# Altium PCB LOGI-BONE.PcbDoc (part 1 of 4)
Units mil, origin at the board's own origin, x right, y up, seen from the top; angles counter-clockwise.
Board outline 3400 x 2252.63 mil, 4 copper layers (Top Layer, GND, VDD, Bottom Layer); 132 components, 150 nets, 640 pads, 358 vias.
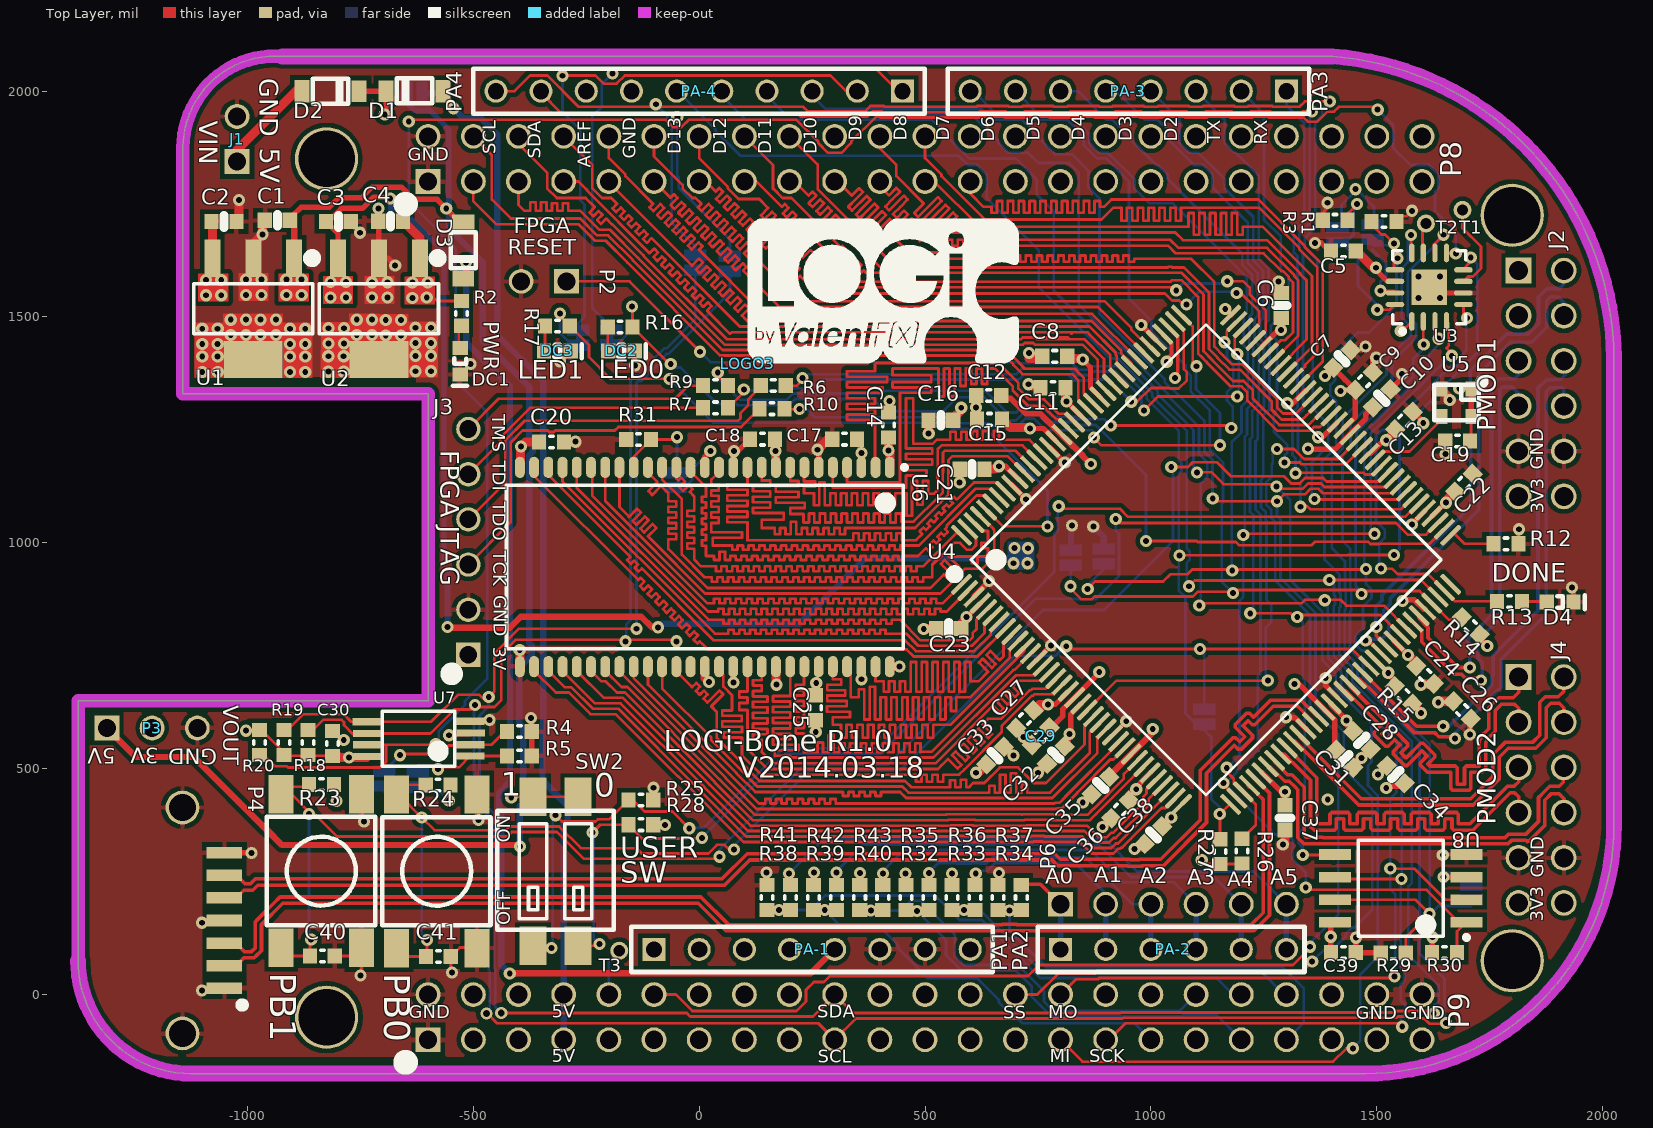
[diagram p0: Top Layer view]
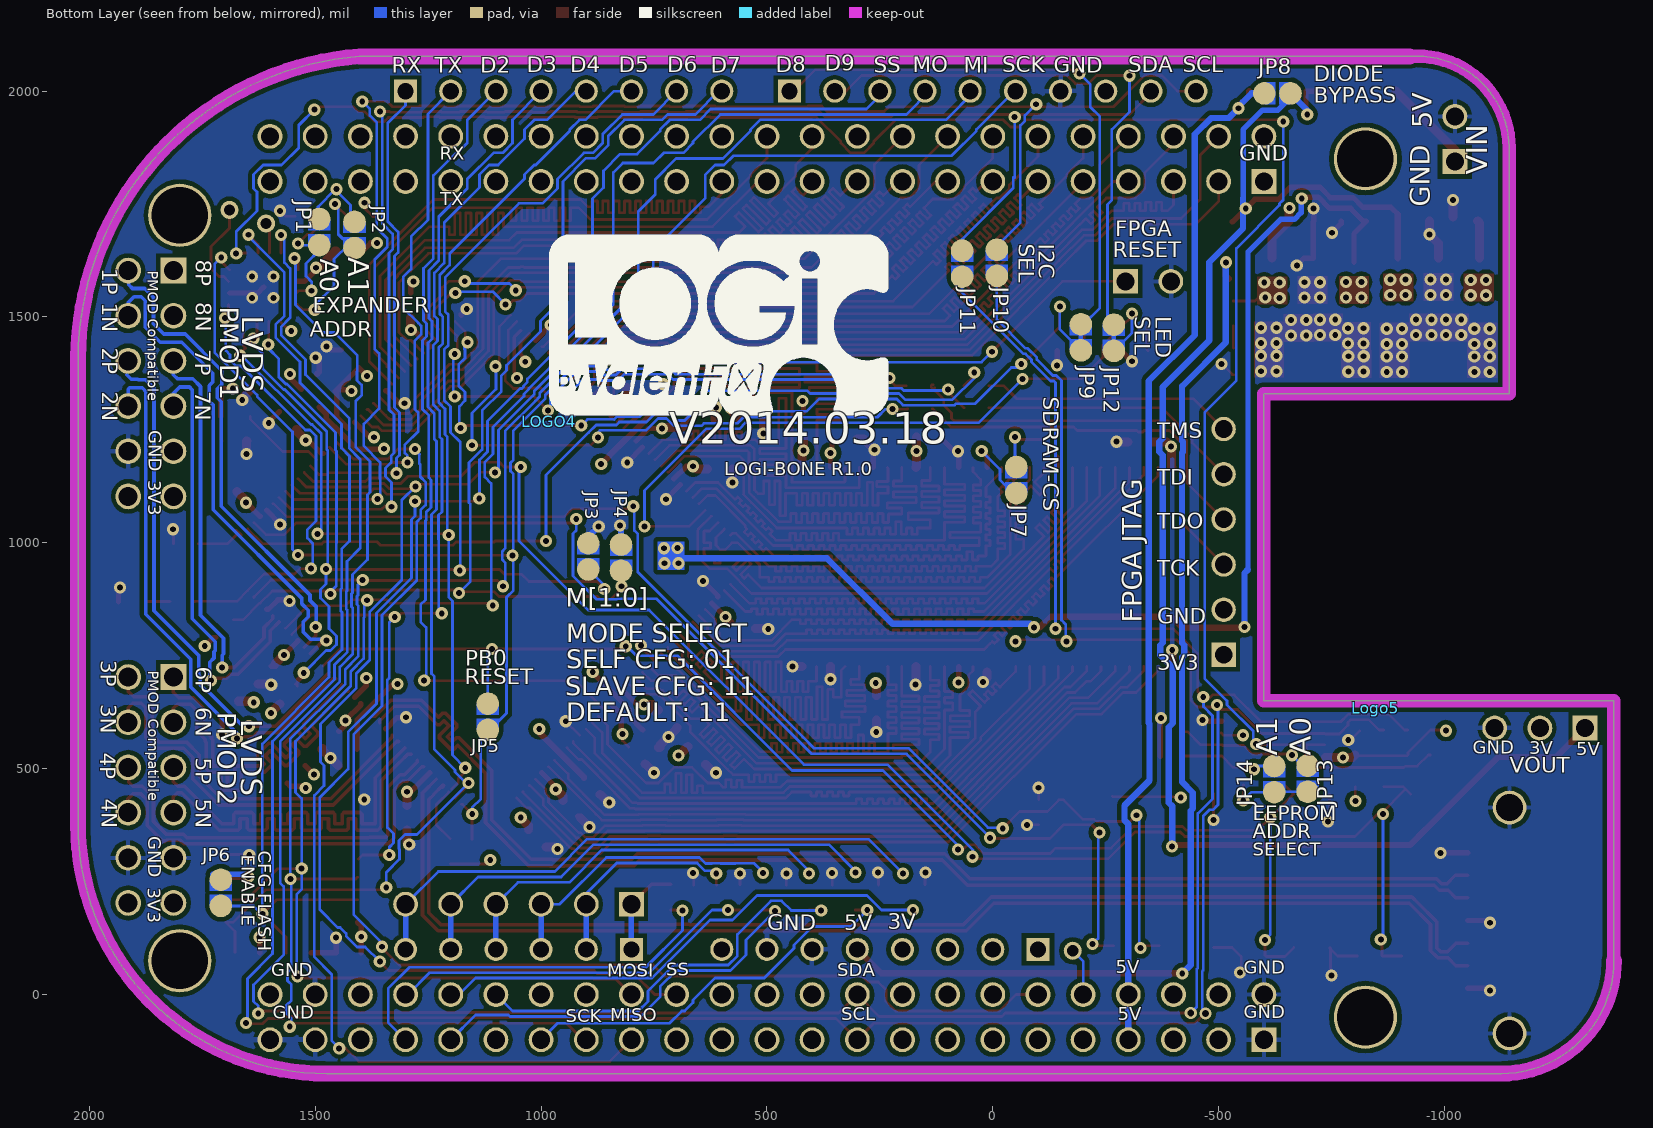
[diagram p1: Bottom Layer view, seen from below]
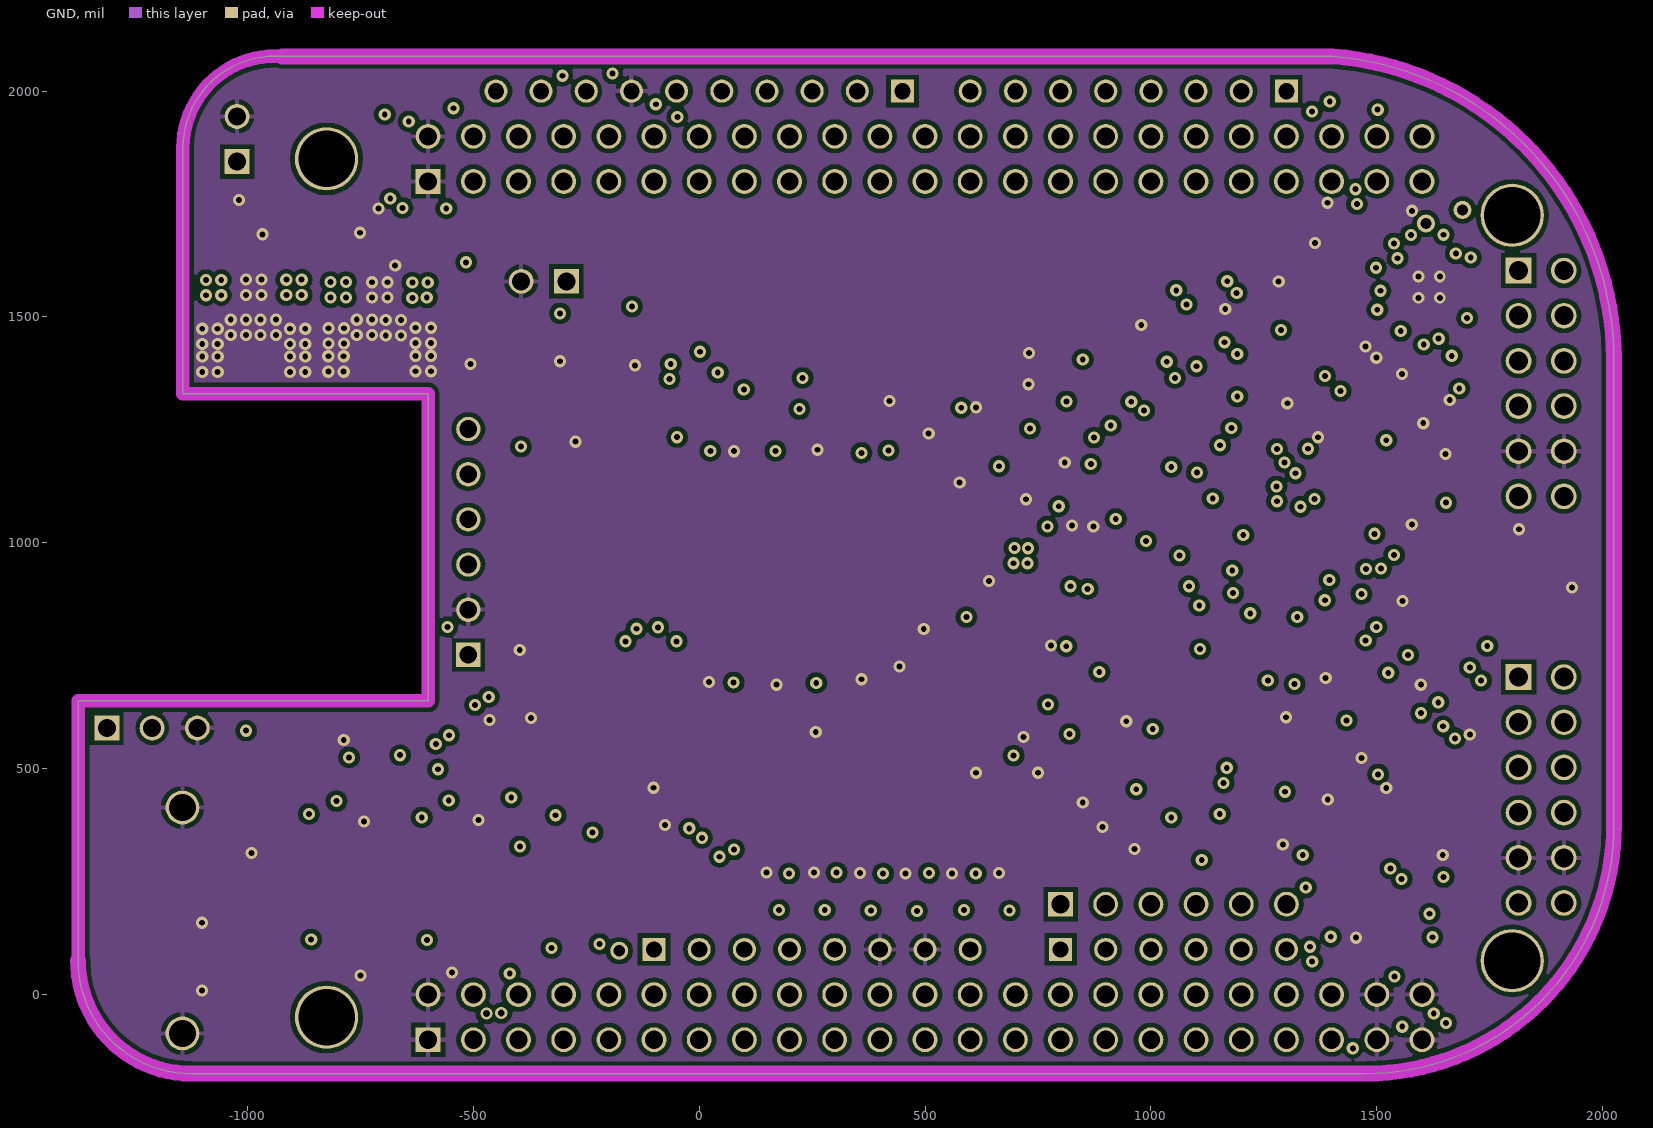
[diagram p2: GND]
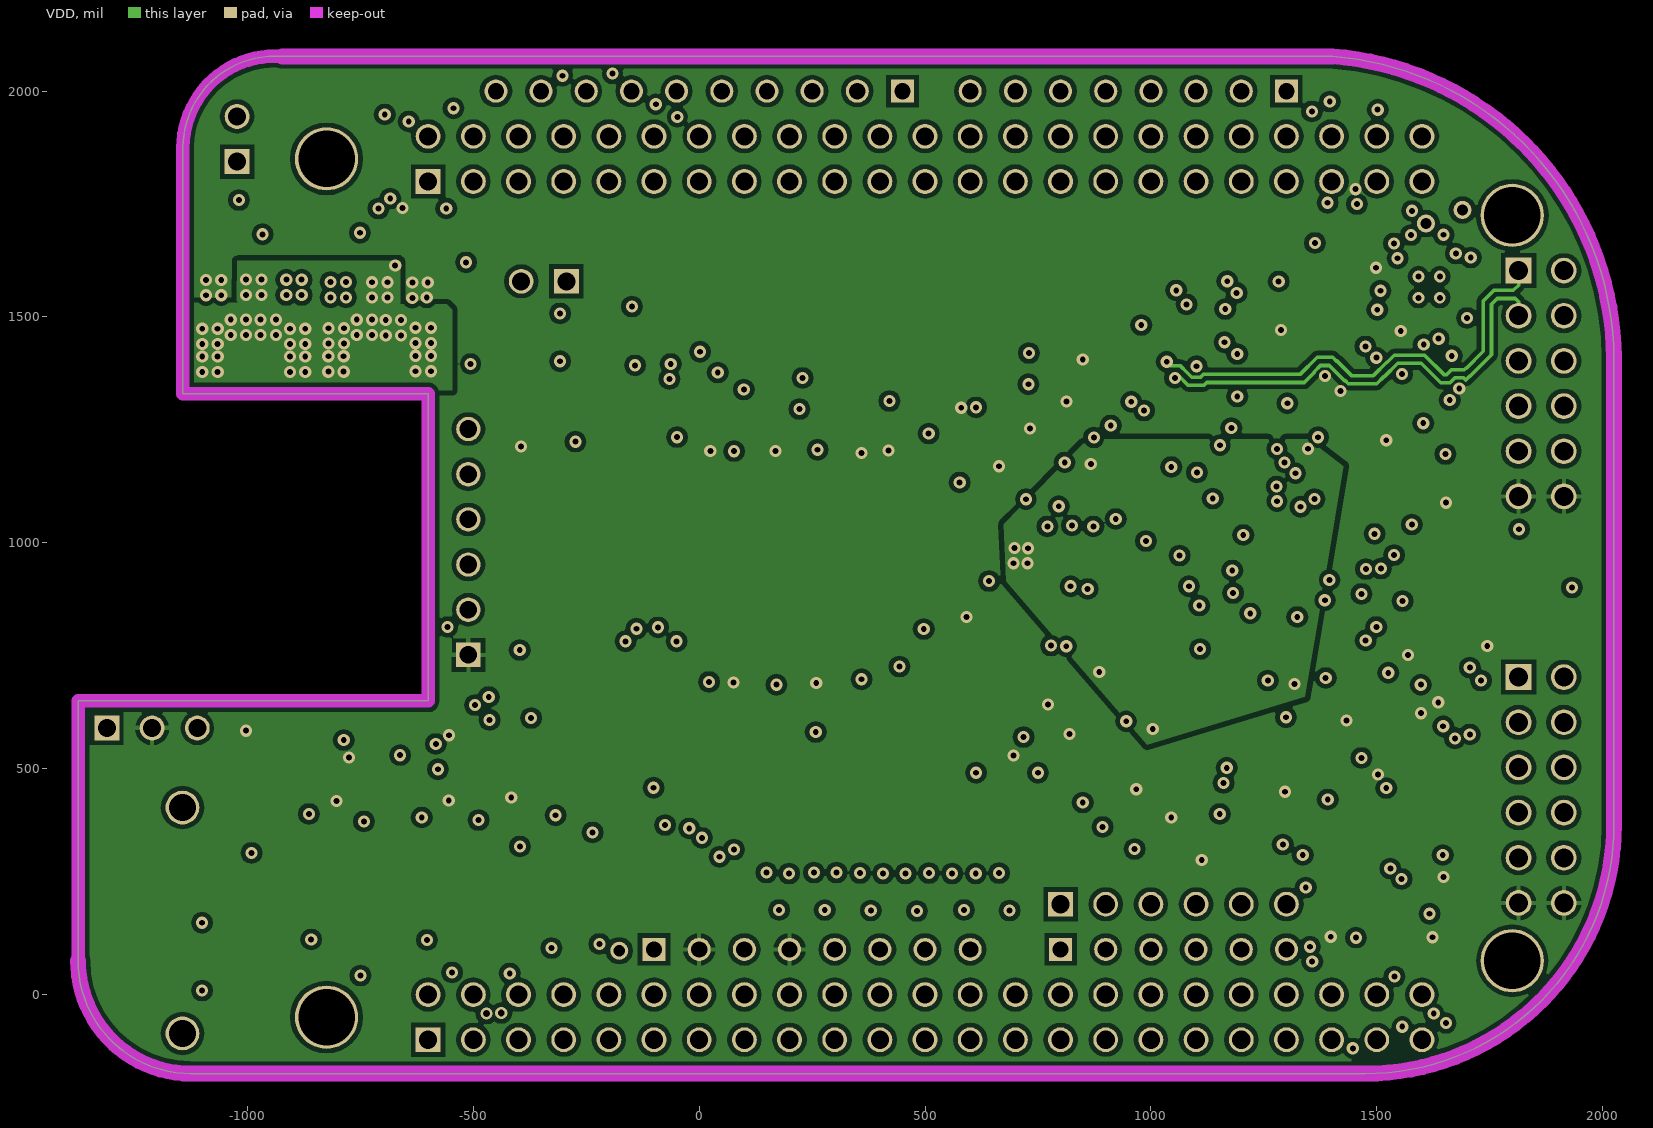
[diagram p3: VDD]
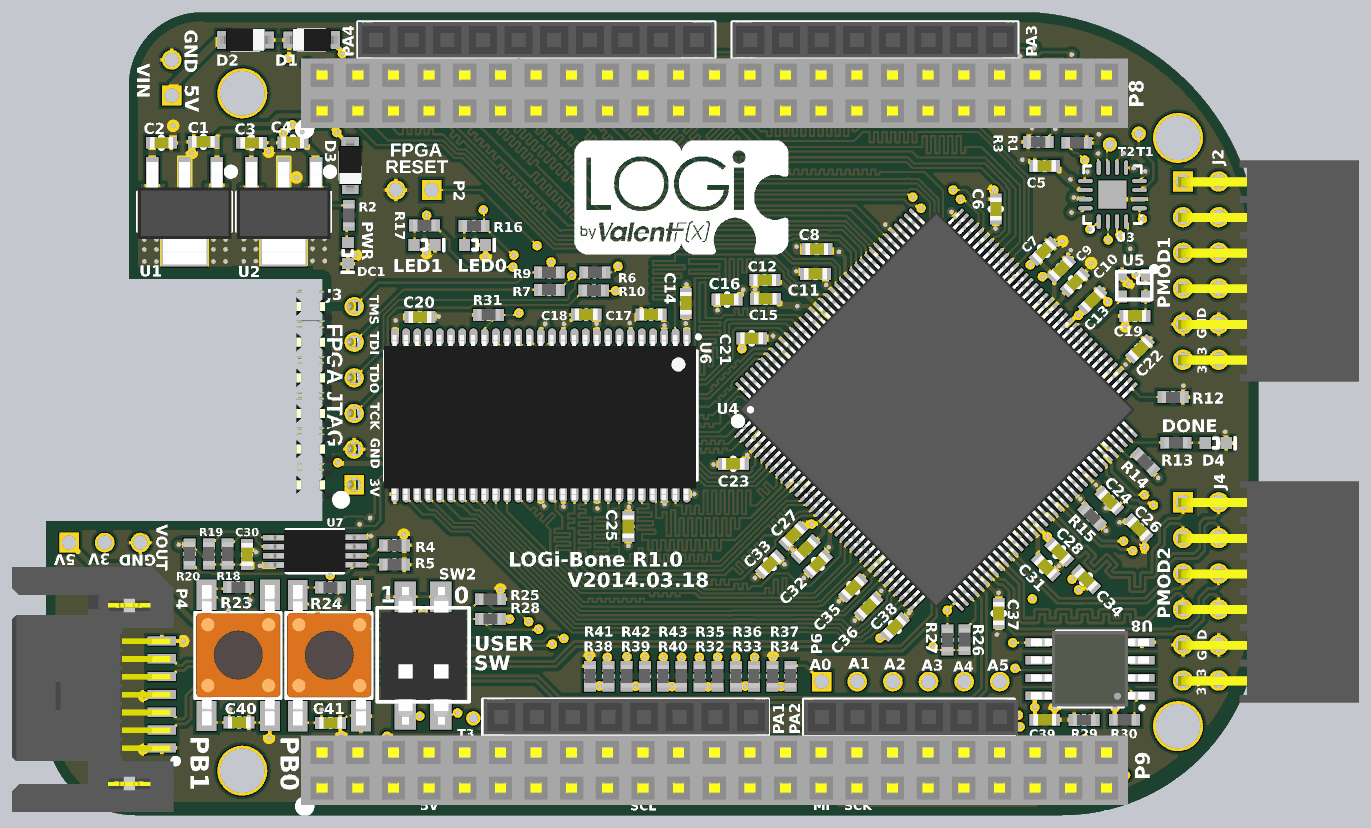
[diagram p7: 3D render of the assembled board from above, using the file's embedded part models]

## Layer stack, top to bottom
Top Solder: solder mask 0.4, Solder Resist, Dk 3.5
Top Layer: signal copper 1.4
Dielectric1: core 12.6, FR-4, Dk 4.8
GND: signal copper 1.4
Dielectric2: prepreg 12.6, FR-4, Dk 4.8
VDD: signal copper 1.4
Dielectric3: core 12.6, FR-4, Dk 4.8
Bottom Layer: signal copper 1.4
Bottom Solder: solder mask 0.4, Solder Resist, Dk 3.5

## Board outline
-1375,75 -1375,650 -600,650 -600,1330 -1143,1330 -1143,1875.3 cw(c-938.98,1873.6) -923,2077 1402,2077 cw(c1350.8,1404.73) 2025,1410 2025,375 cw(c1475,375) 1475,-175 -1125,-175 cw(c-1125,75)

## Design rules (kind name [scope] priority, off if disabled: settings)
Clearance POLY_TO_POLY [inpoly vs inpoly] p1: gap=12
Clearance Poly_TO_ALL [InPoly] p2: gap=10
Clearance [All] p3: gap=6
ComponentClearance ComponentClearance_1 [OnLayer('Mechanical 1')] p1: gap=0 collisioncheckmode=3 verticalgap=0 showdistances=FALSE
ComponentClearance [All] p2: gap=10 collisioncheckmode=3 verticalgap=10 showdistances=FALSE
DiffPairsRouting [All] p1: maxlimit=10 minlimit=6 mostfreqgap=10 toplayer_prefgap=6 toplayer_minwidth=15 toplayer_maxwidth=15 toplayer_prefwidth=15 midlayer1_mingap=10 midlayer1_minwidth=15 midlayer1_maxwidth=15 midlayer1_prefwidth=15 midlayer2_mingap=10 midlayer2_minwidth=15 midlayer2_maxwidth=15 midlayer2_prefwidth=15 bottomlayer_mingap=10 bottomlayer_minwidth=15 bottomlayer_maxwidth=15 bottomlayer_prefwidth=15 maxuncoupledlength=500
Height [All] p1: minheight=0 maxheight=1500 prefheight=500
HoleSize [All] p1: absolutevalues=TRUE maxlimit=250 minlimit=1 maxpercent=80.000 minpercent=20.000
HoleToHoleClearance [All] p1: gap=2 allowstackedmicrovias=TRUE
MinimumSolderMaskSliver [All] p1: minsoldermaskwidth=0
PlaneClearance [All] p1: clearance=10
PlaneConnect [All] p1: planeconnectstyle=Direct reliefexpansion=20 reliefentries=4 reliefconductorwidth=10 reliefairgap=10
PolygonConnect Regualtors [(ObjectKind = 'Pad') And ((Component = 'U1')  or (Component = 'U2'))] p1: connectstyle=Direct reliefconductorwidth=10 reliefentries=4 polygonreliefangle="90 Angle" airgapwidth=10
PolygonConnect via-direct-connect [isvia] p2: connectstyle=Direct reliefconductorwidth=12 reliefentries=4 polygonreliefangle="90 Angle" airgapwidth=10
PolygonConnect PolygonConnect_1 [All] p3: connectstyle=Relief reliefconductorwidth=10 reliefentries=4 polygonreliefangle="90 Angle" airgapwidth=10
RoutingVias [All] p1: holewidth=13 width=27 viastyle="Through Hole" minholewidth=13 minwidth=27 maxholewidth=25 maxwidth=40
SilkToSilkClearance [All] p1: silktosilkclearance=0
SilkToSolderMaskClearance SilkscreenOverComponentPads [IsPad] p1: minsilkscreentomaskgap=0 clearancetoexposedcopper=TRUE
SolderMaskExpansion vias [isvia and not(locked)] p1: expansion=-100
SolderMaskExpansion [All] p2: expansion=4
Width [All] p1: maxlimit=100 minlimit=6 preferedwidth=12
19 further rules are at their usual default settings.

## Classes and differential pairs
net class sata: SATA_D1_N SATA_D1_P SATA_D2_N SATA_D2_P
net class lvds: PMOD1_1_2_LVDS8_N PMOD1_1_2_LVDS8_P PMOD1_3_4_LVDS7_N PMOD1_3_4_LVDS7_P PMOD1_7_8_LVDS1_A_N PMOD1_7_8_LVDS1_A_P PMOD1_9_10_LVDS2_B_N PMOD1_9_10_LVDS2_B_P PMOD2_1_2_LVDS6_N PMOD2_1_2_LVDS6_P PMOD2_3_4_LVDS5_N PMOD2_3_4_LVDS5_P PMOD2_7_8_LVDS3_A_N PMOD2_7_8_LVDS3_A_P PMOD2_9_10_LVDS4_B_N PMOD2_9_10_LVDS4_B_P
net class RAM: RAM_S-D13_SD-NC SD-A0 SD-A1 SD-A2 SD-A3 SD-A4 SD-A5 SD-A6 SD-A7 SD-A8 SD-A9 SD-A10 SD-A11 SD-A12 SD-BA0 SD-BA1 SD-CAS SD-CKE SD-CLK SD-DQ0 SD-DQ1 SD-DQ2 SD-DQ3 SD-DQ4 SD-DQ5 SD-DQ6 SD-DQ7 SD-DQ8 SD-DQ9 SD-DQ10 SD-DQ11 SD-DQ12 SD-DQ13 SD-DQ14 SD-DQ15 SD-DQMH SD-DQML SD-RAS SD-WE
net class GPMC: GPMC_AD0 GPMC_AD1 GPMC_AD2 GPMC_AD3 GPMC_AD4 GPMC_AD5 GPMC_AD6 GPMC_AD7 GPMC_AD8 GPMC_AD9 GPMC_AD10 GPMC_AD11 GPMC_AD12 GPMC_AD13 GPMC_AD14 GPMC_AD15 GPMC_ADVN GPMC_BE0N GPMC_BE1N GPMC_CLK GPMC_CSN1 GPMC_OEN GPMC_WE1N
net class JTAG: TCK TDI TDO TMS
component class RAM: C14 C17 C18 C20 C25 JP7 R31 U6
differential pair SATA_D2: +SATA_D2_P -SATA_D2_N
differential pair SATA_D1: +SATA_D1_P -SATA_D1_N
differential pair PMOD1_9_10_LVDS2_B: +PMOD1_9_10_LVDS2_B_P -PMOD1_9_10_LVDS2_B_N
differential pair PMOD1_7_8_LVDS1_A: +PMOD1_7_8_LVDS1_A_P -PMOD1_7_8_LVDS1_A_N
differential pair PMOD1_1_2_LVDS8: +PMOD1_1_2_LVDS8_P -PMOD1_1_2_LVDS8_N
differential pair PMOD1_3_4_LVDS7: +PMOD1_3_4_LVDS7_P -PMOD1_3_4_LVDS7_N
differential pair PMOD2_1_2_LVDS6: +PMOD2_1_2_LVDS6_P -PMOD2_1_2_LVDS6_N
differential pair PMOD2_3_4_LVDS5: +PMOD2_3_4_LVDS5_P -PMOD2_3_4_LVDS5_N
differential pair PMOD2_7_8_LVDS3_A: +PMOD2_7_8_LVDS3_A_P -PMOD2_7_8_LVDS3_A_N
differential pair PMOD2_9_10_LVDS4_B: +PMOD2_9_10_LVDS4_B_P -PMOD2_9_10_LVDS4_B_N

## Components (designator, comment, footprint, x,y, rotation, side; value= is the part's Value field where it differs from the comment)
C1 "4.7uF" "C0603 - MARKED" -934,1714.07 r180 top
C2 "4.7uF" "C0603 - MARKED" -1052,1711.56 r0 top
C3 "4.7uF" "C0603 - MARKED" -798.78,1711.56 r0 top
C4 "4.7uF" "C0603 - MARKED" -683,1712.07 r180 top
C5 ".1uF" C0603 1426,1646 r180 top
C6 "4.7uF" "C0603 - MARKED" 1288.63,1525.55 r90 top
C7 "4.7uF" "C0603 - MARKED" 1423,1407.49 r45 top
C8 ".47uF" C0603 787,1413 r180 top
C9 ".47uF" C0603 1472,1358 r45 top
C10 "4.7uF" "C0603 - MARKED" 1510.9,1320.16 r45 top
C11 ".47uF" C0603 783.18,1343.37 r180 top
C12 ".47uF" C0603 641,1326 r180 top
C13 ".47uF" C0603 1560.39,1270.66 r45 top
C14 ".1uF" C0603 419,1261 r90 top
C15 ".47uF" C0603 642.75,1273.55 r180 top
C16 "4.7uF" "C0603 - MARKED" 535,1271.55 r180 top
C17 ".1uF" C0603 321.94,1229.44 r180 top
C18 ".1uF" C0603 140,1229.44 r180 top
C19 ".1uF" C0603 1679,1225.62 r180 top
C20 ".1uF" C0603 -327,1223 r0 top
C21 "4.7uF" "C0603 - MARKED" 604.2,1163 r180 top
C22 ".47uF" C0603 1693,1133 r45 top
C23 "4.7uF" "C0603 - MARKED" 552.48,810.82 r180 top
C24 ".47uF" C0603 1607.12,707.54 r315 top
C25 ".1uF" C0603 257.81,635 r270 top
C26 ".47uF" C0603 1689,629.87 r315 top
C27 ".47uF" C0603 721,610 r225 top
C28 "4.7uF" "C0603 - MARKED" 1467,563 r315 top
C29 ".47uF" C0603 756,572 r225 top
C30 ".1uF" C0603 -812,556 r90 top
C31 "4.7uF" "C0603 - MARKED" 1428.81,522 r315 top
C32 "4.7uF" "C0603 - MARKED" 789.45,530.22 r225 top
C33 "4.7uF" "C0603 - MARKED" 655,529 r225 top
C34 "4.7uF" "C0603 - MARKED" 1542,487.32 r315 top
C35 "4.7uF" "C0603 - MARKED" 888.63,462.84 r225 top
C36 ".47uF" C0603 932,410 r225 top
C37 "4.7uF" "C0603 - MARKED" 1297,391.38 r270 top
C38 "4.7uF" "C0603 - MARKED" 1005.63,353.12 r225 top
C39 ".1uF" C0603 1426,93 r0 top
C40 ".1uF" C0603 -834.15,85.32 r0 top
C41 ".1uF" C0603 -577.4,84.38 r0 top
D1 "RB161M-20TR" SOD-123 -630.37,2000 r90 top
D2 "RB161M-20TR" SOD-123 -816,2000 r270 top
D3 "RB161M-20TR" SOD-123 -522,1647.72 r180 top
D4 "598-8010-107F" "LED_0603 - RED" 1906,869 r0 top
DC1 "598-8010-107F" "LED_0603 - RED" -529,1402 r270 top
DC2 "598-8010-107F" "LED_0603 - RED" -172,1425 r0 top
DC3 "598-8010-107F" "LED_0603 - RED" -314,1425 r0 top
J1 "VIN" "HEADER_2_40_100 THRU SIP" -1023,1844 r90 top
J2 "SSQ-106-02-G-D-RA" "PMOD HEADER - SSQ-106-02-G-D-RA" 1814,1602.81 r270 top locked
J3 "Value" "JTAG - DIGILENT HS1 RA" -511,752 r90 top locked
J4 "SSQ-106-02-G-D-RA" "PMOD HEADER - SSQ-106-02-G-D-RA" 1814,702.81 r270 top
JP1 "Solder Jumper" SOLDER_JUMPER#1 1491,1659 r90 bottom net-tie
JP2 "Solder Jumper" SOLDER_JUMPER#2 1413,1652.53 r270 bottom net-tie
JP3 "Solder Jumper" SOLDER_JUMPER#2 895.5,941.11 r270 bottom
JP4 "Solder Jumper" SOLDER_JUMPER#1 823,938.28 r90 bottom
JP5 "Solder Jumper" SOLDER_JUMPER#2 1118,644 r90 bottom
JP6 "Solder Jumper" SOLDER_JUMPER#2 1709,254.3 r90 bottom
JP7 "Solder Jumper" SOLDER_JUMPER#1 -52,1110 r90 bottom
JP8 "Solder Jumper" SOLDER_JUMPER#1 -601,1995 r180 bottom
JP9 "Solder Jumper-NC" SOLDER_JUMPER-NC -195,1426 r270 bottom net-tie
JP10 "Solder Jumper" SOLDER_JUMPER#1 -9,1591 r90 bottom net-tie
JP11 "Solder Jumper" SOLDER_JUMPER#1 68,1589 r90 bottom net-tie
JP12 "Solder Jumper-NC" SOLDER_JUMPER-NC -268,1425 r270 bottom net-tie
JP13 "Solder Jumper" SOLDER_JUMPER#1 -697,507 r270 bottom net-tie
JP14 "Solder Jumper" SOLDER_JUMPER#1 -623,506 r270 bottom net-tie
LOGO3 "LOGI-600" LOGI-600-SILK 107,1397 r0 top
LOGO4 "LOGI-750" LOGI-750-SILK-NB 982,1268 r180 bottom
Logo5 "Valent Logo 750" VALENTFX_750-SolderMask -848,634 r270 bottom
P2 "Header2" "HEADER_2_40_100 THRU SIP" -294,1579 r180 top
P3 "Header3" "HEADER_3_40_100 THRU SIP" -1311,590 r0 top locked
P4 "SATA - 67490-1220" "SATA - 67490-3220" -1051,14 r270 top locked
P6 "Header6" "HEADER_6_40_100 THRU SIP" 800,200 r0 top locked
P8 "Value" Beaglebone-SSQ -600,1800 r0 top locked
P9 "Value" Beaglebone-SSQ -600,-100 r0 top locked
PA-1 "Arduino Due P1" "ARDUINO DUE P1" -100,100 r90 top locked
PA-2 "Arduino Due P2" "ARDUINO DUE P2" 800,100 r90 top
PA-3 "Arduino Due P3" "ARDUINO DUE P3" 1300,2000 r90 top
PA-4 "Arduino Due P4" "ARDUINO DUE P4" 450,2000 r90 top
PB0 "Value" FSM4JSMA -581,273 r180 top locked
PB1 "Value" FSM4JSMA -836.4,273.32 r180 top locked
R1 "10k" R0603 1515.97,1711.56 r0 top
R2 "330" R0603 -526.47,1508 r270 top
R3 "10k" R0603 1407.88,1714.07 r180 top
R4 "10k" R0603 -398,582 r180 top
R5 "10k" R0603 -398,528 r180 top
R6 "330" R0603 164,1348 r0 top
R7 "330" R0603 36,1299 r0 top
R9 "330" R0603 36,1348 r0 top
R10 "330" R0603 161,1297 r0 top
R12 "10k" R0603 1786.2,998 r180 top
R13 "330" R0603 1794,870 r0 top
R14 "10k" R0603 1708,816 r135 top
R15 "10k" R0603 1559,663 r135 top
R16 "330" R0603 -175,1478 r0 top
R17 "330" R0603 -314,1480 r0 top
R18 "10k" R0603 -866,558.16 r270 top
R19 "10k" R0603 -919,558.06 r270 top
R20 "10k" R0603 -973,558 r90 top
R23 "10k" R0603 -836,465 r180 top
R24 "10k" R0603 -577.94,464.38 r180 top
R25 "10k" R0603 -129.1,431 r180 top
R26 "10k" R0603 1201.35,317.5 r270 top
R27 "10k" R0603 1153,316.5 r270 top
R28 "10k" R0603 -129.1,376 r180 top
R29 "10k" R0603 1536.53,92 r180 top
R30 "10k" R0603 1650,93 r180 top
R31 "10k" R0603 -134,1228.83 r0 top
R32 "10k" R0603 508.64,215 r90 top
R33 "10k" R0603 610.82,215 r90 top
R34 "10k" R0603 713,215 r90 top
R35 "10k" R0603 457.55,215 r270 top
R36 "10k" R0603 559.73,215 r270 top
R37 "10k" R0603 661.91,215 r270 top
R38 "10k" R0603 202.09,215 r90 top
R39 "10k" R0603 304.27,215 r90 top
R40 "10k" R0603 406.45,215 r90 top
R41 "10k" R0603 150,215 r270 top
R42 "10k" R0603 253.18,215 r270 top
R43 "10k" R0603 355.36,215 r270 top
SW2 "DIPSW-2" "DIPSW - 219-2MST" -367.87,108 r0 top locked
T1 "Test Point" "Tp 25-40" 1689.79,1737 r0 top
T2 "Test Point" "Tp 25-40" 1608.9,1707 r0 top
T3 "Test Point" "Tp 25-40" -177,97 r0 top
U1 "MCP1826S-3302E/DB" SOT223 -987,1518.07 r270 top locked
U2 "MCP1826S-1202E/DB" SOT223 -709,1518.07 r270 top locked
U3 "PCA9534BS,118" "EXP - PCA9534BS,118 - QFN65P400X400X100-16M" 1616,1566 r90 top
U4 "XC6SLX9-2TQG144C" TQ144_L 1122.12,962.54 r45 top locked
U5 "ASDMB-50.000MHZ-LC-T" "ASDMB - OSC" 1709,1341.04 r180 top
U6 "SDRAM - MT48LC16M16A2P-7E" TSOP2-54_L 12.47,946.55 r270 top locked
U7 "CAT24C256YI-G" "TSSOP 8" -621,566 r180 top locked
U8 "M25PE16" SOIC127P830X200-8L 1553,235 r180 top
